# KiCad board sun3_60.kicad_pcb (continued)
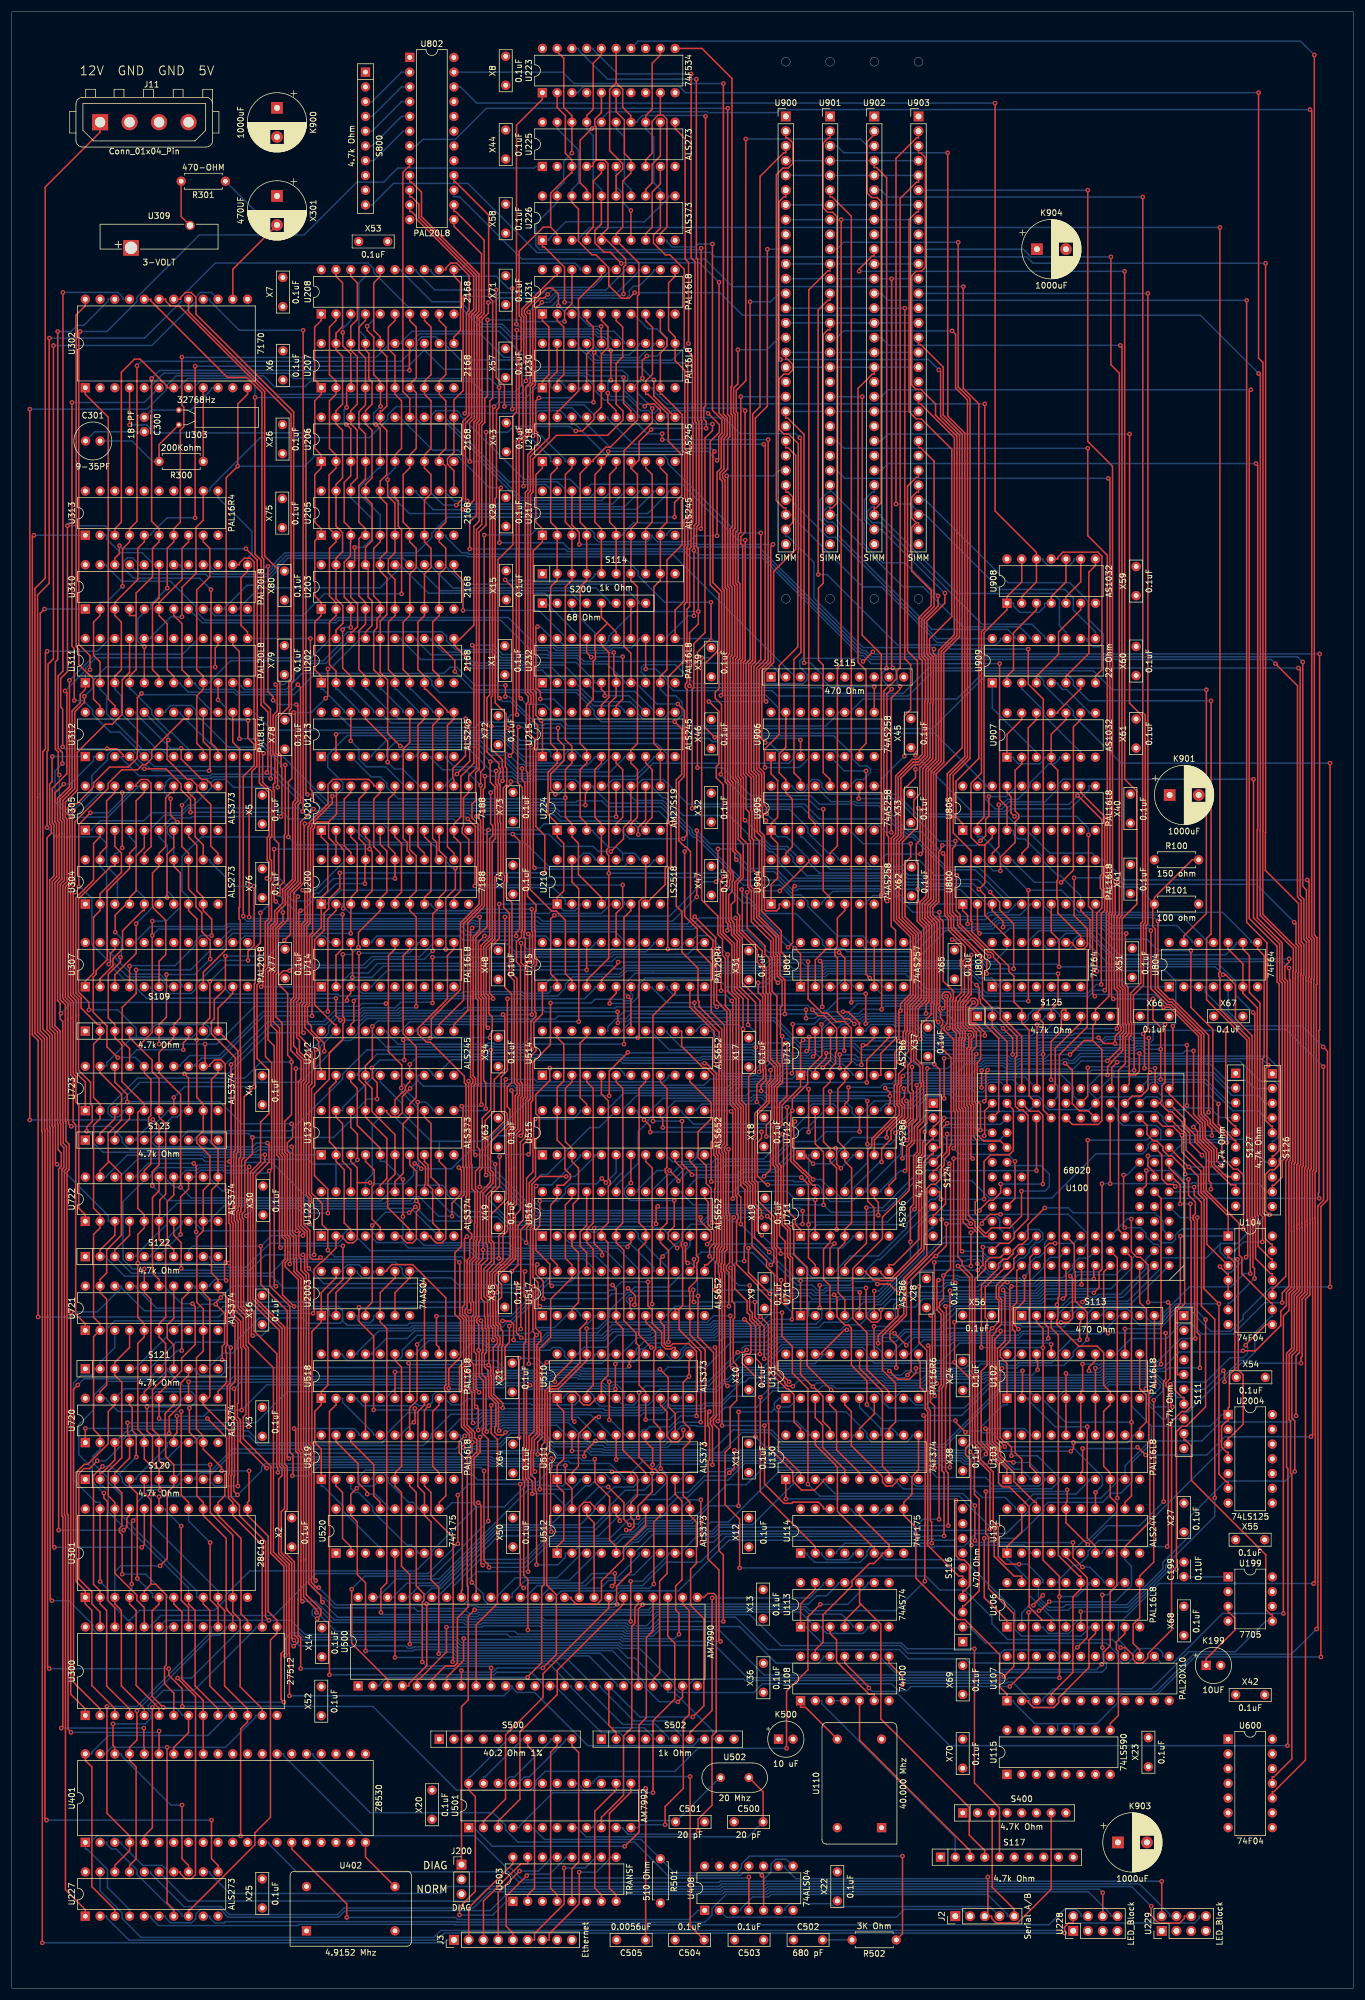
[diagram p0: board, top side]
## Routing (per net, layer and track width the routed paths; a pad name or vN(x,y) marks a point on that pad's centre or on a via; arc(x,y) is an arc through that point) (continued)
/RESET-: length 443
  Top w0.25: v1(10.91,188.76) 10.62,188.47 10.62,171.2 11.52,170.29 11.52,167.6 11.53,167.6 11.53,158.08 13.6,156.01 13.6,152.3 13.89,152.01 13.89,149.27 12.93,148.31 v1(12.93,147.58) ; v1(167.06,110.36) 167.06,121.05 170.01,124.01 170.01,124.8 170.76,125.55 171.55,125.55 172.55,126.55 172.55,127.09 173.55,128.09 174.09,128.09 175.09,129.09 175.09,131.51 v1(177.98,134.39) ; U500.23 115.58,50.14 v1(114.78,49.34) ; v1(180.5,53.48) v1(180.5,67.47) 180.5,70.92 177.67,73.75 v1(177.67,110.31) 177.67,113.59 176.55,114.72 S113.2 ; v1(43.61,143.55) 43.61,142.36 41.6,140.35 41.6,118.64 46.58,113.66 46.58,90.12 47.03,89.66 47.03,82.66 46.45,82.08 46.45,75.04 48.26,73.23 48.26,60.3 v1(48.62,59.94)
  Bottom w0.25: v1(10.91,188.76) 11.85,187.83 12.7,187.83 U304.1 ; U106.14 185.58,69.86 185.58,69.58 183.47,67.47 v1(180.5,67.47) ; v1(114.78,49.34) 111.6,49.34 109.09,51.86 109.09,52.56 103.48,58.16 76.99,58.16 76.36,58.8 69.5,58.8 69.14,58.8 68.89,58.55 68.29,58.55 67.87,58.97 49.59,58.97 v1(48.62,59.94) ; v1(12.93,147.58) 13.26,147.58 13.97,146.88 13.97,145.72 15.72,143.97 33.01,143.97 33.43,143.55 v1(43.61,143.55) ; v1(167.06,110.36) 167.07,110.35 177.64,110.35 v1(177.67,110.31) ; v1(180.5,53.48) 171.72,53.48 171.24,53 170.64,53 170.61,53.03 126.34,53.03 126.12,53.26 117.62,53.26 116.71,52.34 116.71,52.08 U500.23 ; v1(177.98,134.39) 182.02,134.39 182.87,133.53 196.95,133.53 198.32,132.16 198.32,130.63 U100.27
/RTC-: length 458.3
  Top w0.25: v1(84.03,248.91) 84.03,258.14 v1(84.27,258.38) ; U302.12 40.64,274.47 38.95,272.79 v1(38.95,262.1) 36.97,260.12 36.97,178.91 33.02,174.96 U307.9 ; v1(208.75,106.36) 208.94,106.17 v1(208.94,104.44) ; v1(222.11,107.65) 222.11,108.62 222.31,108.83 222.31,118.73 223.22,119.63 223.22,131.47 223.2,131.48 223.2,132.12 223.19,132.14 223.19,141.05 223.41,141.27 223.41,173.39 223.41,174.03 223.51,174.12 223.51,180.37 223.05,180.82 223.05,189.13 222.42,189.77 v1(222.42,228.38)
  Bottom w0.25: v1(38.95,262.1) 50.47,262.1 52.43,264.06 76.64,264.06 82.31,258.38 v1(84.27,258.38) ; S111.6 205.54,103.15 v1(208.75,106.36) ; v1(208.94,104.44) 208.94,104.78 211.81,107.65 v1(222.11,107.65) ; v1(222.42,228.38) 221.51,229.28 148.17,229.28 147.09,230.35 146.53,230.35 128.72,248.17 117.99,248.17 117.81,248.35 117.21,248.35 116.71,247.85 96.02,247.85 94.95,248.91 v1(84.03,248.91)
/S8A Memory/CAS: length 58.9
  Top w0.25: U104.12 217.18,125.59 216.92,125.59 214.73,127.77 214.73,133.02 214.59,133.16 214.59,141.53 214.59,141.53 214.59,168.83 212.1,171.33 U804.6 212.1,176.41 209.56,178.95 U804.10
/S8A Memory/CAS0-: length 202
  Top w0.25: U908.9 184.16,242.16 181.62,239.62 U908.5 ; U908.2 174,239.62 176.55,242.16 U908.12 176.55,247.24 169.42,254.37 v1(169.42,324.61)
  Bottom w0.25: U908.9 183.04,246.12 183.04,245.83 182.19,244.99 178.52,244.99 177.67,245.83 177.67,246.12 U908.12 ; U802.22 77.33,327.39 80.11,324.61 v1(169.42,324.61)
/S8A Memory/CE-: length 192.1
  Top w0.25: U805.1 163.84,200.53 162.68,201.69 162.68,207.84 166.61,211.77 166.61,272.83 163.93,275.5 v1(163.93,293.01)
  Bottom w0.25: U802.15 76.2,308.49 77.16,308.49 87.9,297.75 119.45,297.75 124.19,293.01 v1(163.93,293.01)
/S8A Memory/M.PD-: length 455.4
  Top w0.25: U904.15 133.37,195.45 134.49,196.57 134.49,204.77 133.37,205.89 U905.15 133.37,208.15 132.24,209.27 132.24,212.57 133.36,213.69 133.37,218.59 U906.15 ; v1(122.17,222.63) 122.45,222.9 122.45,229.84 122.76,230.15 122.76,240.73 122.45,241.04 122.45,259.49 122.01,259.93 122.01,260.91 122.7,261.6 122.7,266.81 123.27,267.37 123.27,270.46 122.62,271.11 v1(122.62,327.98) ; v1(223.2,190.85) 223.51,190.55 223.51,181.01 223.96,180.56 223.96,173.94 223.86,173.84 223.86,173.2 223.86,141.08 223.64,140.86 223.64,132.32 223.65,132.31 223.65,131.67 223.67,131.66 223.67,119.44 222.89,118.66 222.89,39.31 217.46,33.89 217.18,33.89 U600.10
  Bottom w0.25: U800.11 187.27,194.32 ; 187.27,194.32 186.12,195.47 178.84,195.47 175.13,199.18 175.13,199.4 U805.5 171.68,201.73 156.37,201.73 152.49,205.61 140.75,205.61 139.57,206.79 139.57,207.49 138.91,208.15 137.92,208.15 137.03,207.26 137.03,206.55 136.37,205.89 135.44,205.89 134.49,206.84 134.49,207.02 U905.15 ; 187.27,194.32 188.23,194.32 191.69,190.85 v1(223.2,190.85) ; v1(122.17,222.63) 129.95,222.63 132.24,220.34 132.24,219.72 U906.15 ; v1(122.62,327.98) 122.61,327.98 96.88,327.98 94.93,329.94 U802.23
/S8A Memory/M.PU: length 429.2
  Top w0.25: U600.11 217.18,36.43 217.46,36.43 220.53,39.49 220.53,88.48 220.31,88.7 220.31,97.67 220.08,97.91 220.08,109.15 220.96,110.03 220.96,119.29 221.86,120.19 221.86,130.91 221.85,130.92 221.85,131.56 221.83,131.58 221.83,141.61 222.05,141.83 222.05,174.36 222.05,174.37 222.05,174.58 222.15,174.68 222.15,179.58 221.7,180.03 221.7,186.79 215.98,192.51 215.98,198.98 216.01,199.02 v1(216.01,297.04)
  Bottom w0.25: S800.10 62.09,307.07 65.79,310.78 78.6,310.78 90.48,298.89 120.36,298.89 121.13,298.13 174.85,298.13 175.94,297.04 v1(216.01,297.04)
/S8A Memory/M.S1-: length 9.7
  Bottom w0.25: U802.2 67.17,329.94 62.09,324.86 S800.3
/S8A Memory/M.S2-: length 9.7
  Bottom w0.25: S800.4 62.09,322.31 67.17,327.39 U802.3
/S8A Memory/M.S3-: length 9.7
  Bottom w0.25: U802.4 67.17,324.86 62.09,319.78 60.96,319.78
/S8A Memory/M.S4-: length 9.7
  Bottom w0.25: S800.6 62.09,317.24 67.17,322.31 U802.5
/S8A Memory/M.S5-: length 9.7
  Bottom w0.25: 60.96,314.69 62.37,314.69 67.45,319.78 68.58,319.78
/S8A Memory/PA02/22: length 228.2
  Top w0.25: U801.4 143.53,177.39 v1(142.54,178.37) ; v1(123.35,323.71) 123.35,271.02 123.72,270.65 123.72,267.19 123.35,266.82 123.35,261.61 122.46,260.72 122.46,260.12 122.9,259.68 122.9,241.23 123.21,240.91 123.21,229.97 122.9,229.65 122.9,207.76 123.35,207.3 123.35,192.47 123.85,191.97 123.85,191 123.68,190.82 123.68,189.7 123.07,189.1 123.07,183.63 123.4,183.3 123.4,182.28 v1(123.28,182.16)
  Bottom w0.25: v1(123.28,182.16) 126.6,182.16 130.39,178.37 v1(142.54,178.37) ; 68.58,317.24 69.71,317.24 70.83,318.36 76.43,318.36 81.78,323.71 v1(123.35,323.71)
/S8A Memory/PA13: length 162.7
  Top w0.25: U904.2 132.24,186.7 132.24,185.99 131.78,185.53 129.94,185.53 129.69,185.77 129.69,198.44 128.87,199.26 128.87,203.25 128.75,203.37 128.75,208.94 127.87,209.81 127.87,227.6 129.05,228.77 v1(129.05,250.61) ; v1(78.06,271.19) 78.34,271.46 78.34,288.49 78.82,288.97 78.82,294.9 76.65,297.07 75.65,297.07 74.79,296.2 74.79,295.92 U208.12
  Bottom w0.25: v1(78.06,271.19) 90.35,271.19 90.82,271.65 94.54,271.65 95.39,270.8 95.39,270.52 U218.18 96.52,269.39 97,269.39 102.49,263.91 103.09,263.91 103.23,264.06 112.22,264.06 113.03,263.25 113.03,262.57 124.99,250.61 v1(129.05,250.61)
/S8A Memory/PA14: length 170.5
  Top w0.25: v1(139.82,203.05) 139.82,188.99 140.99,187.83 U904.5 ; v1(121.07,264.63) 120.8,264.35 120.8,242.05 122.31,240.54 122.31,230.34 121.86,229.89 121.86,229.52 121.86,229.52 121.86,223.81 121.21,223.16 121.21,222.15 122.29,221.06 122.29,209.18 v1(122.15,209.03) ; v1(86.24,292.69) v1(86.24,271.91)
  Bottom w0.25: U208.13 72.25,295.92 72.25,295.64 73.09,294.79 83.48,294.79 85.58,292.69 v1(86.24,292.69) ; v1(121.07,264.63) 120.5,265.2 103.25,265.2 99.06,269.39 U218.17 97.93,270.52 97.93,270.72 96.51,272.15 86.48,272.15 v1(86.24,271.91) ; v1(139.82,203.05) 138.95,203.05 137.28,204.72 126.46,204.72 v1(122.15,209.03)
/S8A Memory/PA15: length 171.7
  Top w0.25: v1(129.57,265.86) 129.82,265.61 129.82,228.81 128.32,227.31 128.32,210 129.2,209.12 129.2,203.56 129.32,203.43 129.32,201.69 v1(129.95,201.07) ; v1(84.89,272.37) 84.89,275.93 83.47,277.35 v1(83.47,292.44)
  Bottom w0.25: v1(129.57,265.86) 107.1,265.86 102.73,270.24 102.73,270.52 U218.16 100.47,270.52 100.47,270.8 98.62,272.65 85.18,272.65 v1(84.89,272.37) ; U904.11 142.4,194.32 142.4,194.6 141.55,195.45 140.71,195.45 137.18,198.99 137.18,199.8 133.96,203.01 129.7,203.01 129.32,202.63 129.32,201.7 v1(129.95,201.07) ; U208.14 69.71,295.92 69.71,295.64 72.9,292.44 v1(83.47,292.44)
/S8A Memory/PA16: length 165.8
  Top w0.25: U218.15 104.14,271.65 102.69,273.09 v1(102.69,274.69) ; v1(126.35,271.65) 126.35,250.7 125.62,249.97 125.62,248.75 125.92,248.45 125.92,228.84 125.61,228.53 125.61,208.88 126.06,208.43 126.06,201.41 v1(126.34,201.13) ; v1(103.23,282) v1(103.23,276.9)
  Bottom w0.25: v1(103.23,276.9) 102.73,276.4 102.73,274.72 v1(102.69,274.69) 103.29,274.09 105.94,274.09 108.37,271.66 109.69,271.66 110.07,271.28 110.75,271.28 111.57,272.11 125.9,272.11 v1(126.35,271.65) ; v1(103.23,282) 102.87,282.36 102.87,283.55 102.06,284.36 100.97,284.36 100.52,284.81 88.06,284.81 87.73,284.48 86.59,284.48 84.53,286.54 81.17,286.54 77.31,290.4 72.4,290.4 67.17,295.64 67.17,295.92 U208.15 ; U904.14 133.6,196.62 130.85,196.62 v1(126.34,201.13)
/S8A Memory/PA17: length 270.7
  Top w0.25: v1(130.32,266.66) 130.32,228.63 128.77,227.08 128.77,210.19 129.65,209.31 129.65,203.74 130.05,203.34 v1(130.05,202.28) ; v1(112.08,266.66) v1(112.08,267.69) ; v1(105.41,277.36) 105.41,272.91 106.68,271.65 U218.14 ; v1(19.11,241.43) 19.11,247.86 20.32,249.07 U313.4 20.32,251.33 21.59,252.6 v1(21.59,279.4) ; U310.2 15.24,236.37 14.11,235.25 14.11,229.51 15.24,228.38 U311.2
  Bottom w0.25: v1(19.11,241.43) 16.3,238.63 15.24,238.63 U310.2 ; v1(105.41,277.36) 105.14,277.63 99.61,277.63 99.12,278.13 89.05,278.13 86.79,280.39 77.34,280.39 74.79,282.94 74.79,283.22 74.22,283.22 ; 74.22,283.22 73.07,284.38 70.65,284.38 69.85,283.58 69.85,282.88 67.11,280.14 22.34,280.14 v1(21.59,279.4) ; 74.22,283.22 U207.12 ; v1(130.05,202.28) 131.8,200.53 133.37,200.53 U905.2 ; U311.2 15.24,223.67 16.37,222.55 16.37,219.49 22.63,213.23 23.43,213.23 24.27,212.38 24.27,212.1 U312.6 ; v1(112.08,266.66) v1(130.32,266.66) ; U218.14 109.54,267.66 112.05,267.66 v1(112.08,267.69)
/S8A Memory/PA18: length 273.4
  Top w0.25: v1(117.24,203.18) 117.24,223.69 117.51,223.96 117.51,231.51 119.44,233.44 119.44,266.94 120.74,268.23 v1(120.74,269.34) ; U311.3 17.78,225.93 18.91,227.05 18.91,235.25 17.78,236.37 U310.3 17.78,238.63 21.73,242.58 21.73,247.95 22.86,249.07 U313.5 ; v1(31.61,253.21) v1(31.61,279.31)
  Bottom w0.25: 71.12,282.09 68.33,279.31 v1(31.61,279.31) ; 71.12,282.09 U207.13 ; 71.12,282.09 74.43,278.78 87.07,278.78 88.18,277.68 98.63,277.68 100.33,275.98 100.33,275.26 102.11,273.48 105.42,273.48 108.09,270.8 108.09,270.52 U218.13 110.35,270.52 110.35,270.3 111.3,269.34 v1(120.74,269.34) ; v1(31.61,253.21) 26.78,253.21 23.99,250.41 23.99,250.2 U313.5 ; U905.5 139.86,199.4 139.86,199.68 136.08,203.46 117.52,203.46 v1(117.24,203.18) ; U312.7 26.81,212.1 26.81,212.38 25.78,213.41 24.98,213.41 18.91,219.49 18.91,222.55 17.78,223.67 U311.3
/S8A Memory/PA19: length 282
  Top w0.25: v1(121.12,215.4) 119.37,217.15 119.37,228.04 121.86,230.53 121.86,240.11 120.35,241.62 120.35,266.37 121.91,267.93 121.91,269.26 v1(119.99,271.18) ; v1(109.07,272.4) 109.47,272.8 110.66,272.8 111.76,271.7 U218.12 ; 21.45,236.37 21.45,240.25 24.27,243.08 24.27,247.95 25.4,249.07 U313.6 25.4,251.33 24.11,252.61 v1(24.11,277.2) ; 21.45,236.37 21.45,227.05 20.32,225.93 U311.4 ; 21.45,236.37 20.32,236.37 U310.4 ; v1(68.52,278.58) 68.52,282.04 68.58,282.09 U207.14
  Bottom w0.25: U311.4 20.32,223.67 20.6,223.67 24.13,220.15 24.13,219.39 27.3,216.22 27.58,216.22 30.48,213.32 U312.8 ; U207.14 70.23,284.87 80.74,284.87 84.77,280.84 87.51,280.84 89.77,278.58 105.24,278.58 106.14,277.68 106.14,277.06 105.5,276.42 105.5,275.17 107.82,272.85 108.62,272.85 v1(109.07,272.4) ; v1(119.99,271.18) 119.52,271.65 113.74,271.65 112.89,270.8 112.89,270.52 U218.12 ; v1(121.12,215.4) 121.39,215.68 141.61,215.68 144.8,212.49 144.8,211.76 146.06,210.5 147.39,210.5 147.97,209.91 147.97,209.37 146.75,208.15 145.5,208.15 144.65,207.3 144.65,207.02 U905.11 ; v1(68.52,278.58) 25.49,278.58 v1(24.11,277.2)
/S8A Memory/PA20: length 239.9
  Top w0.25: v1(29.32,280.88) 29.32,272.62 29.65,272.29 29.65,268.9 29.07,268.31 29.07,252.45 27.94,251.33 U313.7 27.94,249.07 26.81,247.95 v1(26.81,241.09) ; v1(110.63,276.94) 110.63,274.19 U218.11 ; U905.14 135.91,208.15 134.77,209.29 134.77,228.82 135.97,230.02 135.97,266.8 v1(135.78,266.99) ; U311.5 v1(22.86,231.01)
  Bottom w0.25: 23.42,237.5 23.99,237.5 23.99,238.27 v1(26.81,241.09) ; 23.42,237.5 21.73,235.81 21.73,231.94 22.66,231.01 v1(22.86,231.01) ; 23.42,237.5 U310.5 ; v1(110.63,276.94) 108.41,279.16 90.12,279.16 83.96,285.32 68.99,285.32 67.17,283.5 67.17,283.22 U207.15 64.91,283.22 64.91,282.98 62.74,280.81 29.39,280.81 v1(29.32,280.88) ; v1(135.78,266.99) 135.06,267.71 125.43,267.71 122.68,270.46 115.49,270.46 115.43,270.52 U218.11
/S8A Memory/PA21: length 111.7
  Top w0.25: v1(129.81,214.5) 129.23,215.09 129.23,226.9 130.77,228.45 130.77,248.24 v1(131.15,248.62) ; v1(97.79,248.62) 97.79,250.7 96.52,251.97 U217.18
  Bottom w0.25: U206.12 74.79,270.52 74.79,270.33 85.72,259.4 94.06,259.4 95.39,258.07 95.39,257.82 U217.18 ; v1(97.79,248.62) 116.84,248.62 117.02,248.8 118,248.8 118.18,248.62 v1(131.15,248.62) ; U906.2 132.24,212.1 132.24,212.8 130.54,214.5 v1(129.81,214.5)
/S8A Memory/PA22: length 161.5
  Top w0.25: v1(126.38,249.36) 126.38,228.66 126.06,228.34 126.06,209.07 126.52,208.61 126.52,203.05 127.07,202.5 127.07,197.78 127.26,197.58 127.26,189.83 127.88,189.21 127.88,184.06 131.22,180.72 131.22,177.88 131.45,177.66 131.45,173.7 v1(132,173.15)
  Bottom w0.25: v1(126.38,249.36) 125.14,249.36 115.5,258.99 99.77,258.99 98.6,257.82 ; U217.17 98.6,257.82 ; 98.6,257.82 97.93,257.82 97.93,258.1 96.18,259.85 88.25,259.85 77.33,270.77 77.33,271.01 76.69,271.65 73.09,271.65 72.25,270.8 72.25,270.52 U206.13 ; U801.5 145.13,172.46 143.94,173.64 143.11,173.64 141.92,172.46 U801.3 139.86,172.46 139.86,172.69 138.96,173.58 132.43,173.58 v1(132,173.15)
/S8A Memory/PA22/02: length 47.3
  Top w0.25: v1(147.82,173.96) 147.19,174.59 v1(147.19,209.62)
  Bottom w0.25: U801.7 150.02,172.46 150.02,172.74 149.15,173.6 148.18,173.6 v1(147.82,173.96) ; U906.5 143.46,209.62 v1(147.19,209.62)
/S8A Memory/PA23: length 84.9
  Top w0.25: U206.14 68.58,273.76 67.4,274.94 67.4,312.67 68.3,313.57 68.58,313.57 68.58,314.69
  Bottom w0.25: U217.16 100.47,257.82 100.47,257.54 99.61,256.67 87.72,256.67 85.53,258.86 85.53,258.95 84.84,259.64 84.75,259.64 75,269.39 70.64,269.39 69.71,270.33 69.71,270.52 U206.14
/S8A Memory/PA24: length 100
  Top w0.25: v1(78.9,262.9) 78.92,262.91 78.92,269.58 79.69,270.36 79.69,287.93 79.89,288.13 79.89,288.13 80.49,288.73 80.49,295.19 70.61,305.07 70.61,309.28 68.86,311.03 68.58,311.03 U802.9
  Bottom w0.25: U217.15 103.01,257.82 103.01,257.54 101.67,256.2 87.5,256.2 80.8,262.9 v1(78.9,262.9) 76.95,264.86 72.55,264.86 67.1,270.31 67.1,270.52 U206.15
/S8A Memory/PA25: length 94.5
  Top w0.25: v1(78.5,256.11) 78.18,256.43 78.18,269.48 79.24,270.54 79.24,288.11 79.44,288.31 79.44,288.32 80.04,288.92 80.04,295 70.16,304.89 70.16,307.19 68.86,308.49 68.58,308.49 U802.10
  Bottom w0.25: U217.14 105.55,257.82 105.55,257.62 103.5,255.57 79.04,255.57 v1(78.5,256.11) 76.21,256.11 74.79,257.54 74.79,257.82 U205.12
/S8A Memory/PA26: length 98.3
  Top w0.25: v1(76.61,255.39) 77.73,256.5 77.73,269.83 78.79,270.89 78.79,288.3 79.59,289.11 79.59,294.81 69.71,304.7 69.71,305.1 68.86,305.95 68.58,305.95 U802.11
  Bottom w0.25: 76.61,255.4 v1(76.61,255.39) ; 76.61,255.4 74.39,255.4 72.25,257.54 72.25,257.82 U205.13 ; 76.61,255.4 77.98,255.4 78.26,255.12 105.59,255.12 108.09,257.62 108.09,257.82 U217.13
/S8A Memory/PA27: length 99.5
  Top w0.25: U802.13 76.2,303.41 80.95,298.66 80.95,288.55 80.35,287.94 80.35,287.94 80.14,287.74 80.14,270.17 79.63,269.66 79.63,256.22 78.08,254.67 v1(77.68,254.67)
  Bottom w0.25: U205.14 69.71,257.82 69.71,257.54 72.64,254.6 77.61,254.6 v1(77.68,254.67) 107.68,254.67 110.63,257.62 110.63,257.82 U217.12
/S8A Memory/PA28: length 108.6
  Top w0.25: U205.15 66.04,256.69 66.61,256.12 66.61,251.72 67.18,251.15 v1(67.18,240.12)
  Bottom w0.25: U217.11 113.17,257.82 113.17,257.55 109.57,253.94 68.51,253.94 64.91,257.54 64.91,257.82 U205.15 ; U310.9 34.15,237.5 34.15,237.22 35,236.37 50.15,236.37 53.9,240.12 v1(67.18,240.12)
/S8A Memory/R.ACK: length 213.2
  Top w0.25: v1(225.94,158.72) 226,158.66 226,135.73 225.02,134.75 225.02,62.1 v1(224.8,61.88) ; U108.8 151.15,56.03 153.47,53.71 v1(153.47,52.3)
  Bottom w0.25: v1(224.8,61.88) 220.44,57.52 203.61,57.52 197.21,51.12 181.55,51.12 180.35,49.92 180.35,49.18 179.53,48.35 176.13,48.35 175.39,49.09 175.39,49.76 172.41,52.74 171.63,52.74 171.43,52.55 153.71,52.55 v1(153.47,52.3) ; U804.2 U804.3 205.61,172.46 205.61,171.55 212.04,165.11 219.55,165.11 v1(225.94,158.72)
/S8A Memory/RAS: length 103.2
  Top w0.25: U104.10 217.18,120.51 217.37,120.51 219.49,122.62 219.49,142.46 219.79,142.77 219.79,173.43 219.34,173.88 219.34,175.98 219.77,176.41 220.07,176.71 v1(220.07,177.25)
  Bottom w0.25: v1(220.07,177.25) 190.36,177.25 185.96,181.65 181.56,181.65 180.21,180.31 180.21,180.08 U803.10
/S8A Memory/RAS-: length 144.1
  Top w0.25: U104.11 217.18,123.05 216.9,123.05 214.28,125.67 214.28,132.83 214.14,132.97 214.14,141.72 214.14,141.72 214.14,167.76 v1(213.86,168.04) ; U907.13 174,218.47 171.47,215.93 U907.1 ; U907.10 181.62,218.47 179.09,215.93 U907.4 179.09,210.85 180.21,209.72 180.21,190.88 180.05,190.73 180.05,187.57 180.21,187.41 180.21,185.16 184.16,181.2 184.16,180.08
  Bottom w0.25: U907.1 172.59,211.97 172.59,211.69 173.44,210.85 177.11,210.85 177.96,211.69 177.96,211.97 U907.4 ; v1(213.86,168.04) 210.83,171.07 210.83,173.43 207.9,176.35 189.02,176.35 185.29,180.08 184.16,180.08
/S8A Memory/RE00-: length 26.5
  Top w0.25: v1(170.34,192.42) 170.34,194.79 172.88,197.33 172.88,200.89 173.49,201.49 173.49,202.1 172.88,202.7 172.88,209.72 174,210.85 U907.2
  Bottom w0.25: U800.19 167.51,194.32 167.51,194.04 169.13,192.42 v1(170.34,192.42)
/S8A Memory/RE01-: length 25.5
  Top w0.25: U800.18 168.93,195.45 170.06,196.58 v1(170.06,203.81)
  Bottom w0.25: v1(170.06,203.81) 170.62,203.81 171.57,204.76 173.36,204.76 175.42,206.82 175.42,207.55 178.72,210.85 179.65,210.85 180.5,211.69 180.5,211.97 U907.5
/S8A Memory/RE02-: length 41.7
  Top w0.25: v1(180.79,190.44) 182.91,192.55 182.91,217.21 184.16,218.47 U907.9
  Bottom w0.25: U800.17 172.59,194.32 172.59,194.04 176.19,190.44 v1(180.79,190.44)
/S8A Memory/RE03-: length 26.3
  Top w0.25: U800.16 174,195.45 175.13,196.58 175.13,217.05 176.55,218.47 U907.12
/S8A Memory/SEL0-: length 23.2
  Bottom w0.25: U800.5 172.88,186.7 172.88,186.51 171.64,185.28 168.32,185.28 167.62,184.58 159.31,184.58 154.81,180.08 U801.9
/S8A Memory/SEL1: length 34.3
  Bottom w0.25: U801.12 147.2,178.94 154.7,178.94 159.77,184.01 167.74,184.01 168.56,184.82 173.74,184.82 175.42,186.5 175.42,186.7 U800.6
/S8A Memory/TWOWAY-: length 188.4
  Top w0.25: v1(84.2,191.27) 84.25,191.32 84.25,200.72 84.15,200.82 84.15,207.28 83.83,207.6 83.83,208.2 83.94,208.31 83.94,209.05 84.21,209.32 84.21,209.92 83.94,210.18 83.94,210.85 81.89,212.91 81.89,222.22 82.37,222.71 82.37,267.57 82.46,267.66 82.46,268.26 82.37,268.35 82.37,273.32 82.87,273.81 82.87,290.55 82.17,291.25 82.17,291.25 82.17,305.34 76.48,311.03 76.2,311.03 U802.16 ; U801.1 135.91,178.09 v1(134.88,179.12)
  Bottom w0.25: v1(134.88,179.12) 134.88,179.17 127.15,186.9 126.03,186.9 121.66,191.27 v1(84.2,191.27)
/SCC.IRQ-: length 177.1
  Top w0.25: v1(24.25,48.36) 24.25,27.65 22.86,26.26 U401.5 ; U307.11 38.1,171.33 35.56,168.79 S109.10 38.99,161.41 38.99,144 38.71,143.71 38.71,134.83 38.59,134.72 38.59,134.13 38.34,133.87 38.34,132.15 38.59,131.9 38.59,116.72 39.9,115.41 39.9,110.55 40.35,110.1 40.35,98.82 39.91,98.38 39.91,94.62 44.65,89.89 44.65,74.93 46.91,72.67 46.91,58.12 46.41,57.62 46.41,49.78 v1(46.91,49.28)
  Bottom w0.25: v1(24.25,48.36) 25.17,49.28 v1(46.91,49.28)
/SCSI 2, Parity/IO.D0: length 525
  Top w0.25: U301.9 33.02,66.19 34.15,65.07 34.15,52.08 38.1,48.13 U300.11 ; U401.40 12.7,39.25 13.83,38.12 13.83,17.51 17.78,13.56 U227.3 ; U305.2 15.24,198.27 14.11,197.15 14.11,190.83 11.07,187.79 11.07,171.38 11.98,170.48 11.98,168.79 14.8,165.96 15.24,165.96 S109.2 15.24,163.71 14.11,162.58 14.11,153.39 15.24,152.27 U723.2 15.24,149.75 14.11,148.62 14.11,134.33 15.24,133.21 U722.2 15.24,130.95 14.11,129.83 14.11,115.56 15.24,114.43 15.24,113.34 ; v1(87.72,146.81) 88.11,147.2 88.11,153.14 88.42,153.45 88.42,175.93 87.75,176.59 v1(87.75,179.98) ; U721.2 15.24,113.34 ; 15.24,113.34 14.11,112.22 14.11,96.23 15.24,95.11 U720.2 ; v1(69.41,142.03) 69.67,142.03 v1(70.57,141.13) ; 59.55,138.73 59.55,129.04 58.88,128.37 57.89,128.37 57.01,129.26 57.01,129.54 U122.2 55.88,127.48 53.52,125.12 53.38,125.12 52.1,123.84 52.1,116.41 v1(51.92,116.23) ; 59.55,138.73 v1(61.73,138.73) ; 59.55,138.73 59.55,141.27 58.42,142.39 U123.3 ; v1(7.2,282.88) 7.2,228.93 6.28,228.01 6.28,213.12 6.11,212.94 v1(6.11,199.88)
  Bottom w0.25: 15.24,198.27 16.37,197.15 16.37,193.2 18.23,191.33 18.23,186.7 U304.3 ; 15.24,198.27 U305.2 ; 15.24,198.27 7.71,198.27 v1(6.11,199.88) ; v1(70.57,141.13) 75.78,141.13 78.98,144.32 81.23,144.32 83.72,146.81 v1(87.72,146.81) ; v1(69.41,142.03) 69.26,141.87 69.26,140.01 67.78,138.53 61.93,138.53 v1(61.73,138.73) ; U720.2 15.24,92.85 13.99,91.61 13.99,90.48 16.51,87.97 16.51,87.3 18.91,84.9 18.91,81.45 31.89,68.47 31.89,67.32 U301.9 ; v1(87.75,179.98) 88.8,178.94 99.6,178.94 100.47,179.81 100.47,180.08 U715.20 ; U300.11 36.97,47 36.97,46.72 33.81,43.55 16.72,43.55 13.83,40.66 13.83,40.38 U401.40 ; v1(7.2,282.88) 24.16,282.88 31.75,290.47 31.75,291.22 32.54,292.01 34.39,292.01 U302.15 ; v1(51.92,116.23) 38.39,116.23 37.09,114.93 17.76,114.93 16.37,113.53 16.37,113.31 U721.2
/SCSI 2, Parity/IO.D1: length 504.3
  Top w0.25: U301.10 35.56,66.19 36.69,65.07 36.69,64.92 36.69,64.91 36.69,52.08 40.64,48.13 U300.12 40.64,45.87 39.45,44.69 v1(39.45,26.26) ; v1(24.07,85.1) 24.07,89.93 22.86,91.14 U720.5 22.86,95.11 21.73,96.23 21.73,111.05 22.86,112.18 U721.5 22.86,114.43 21.73,115.56 v1(21.73,124.86) 21.73,129.83 22.86,130.95 U722.5 22.86,133.21 21.73,134.33 21.73,150.82 22.86,151.95 ; v1(105.27,189.99) 105.27,186.23 104.14,185.11 U715.19 ; 22.86,151.95 U723.5 ; 22.86,151.95 22.86,152.27 19.01,156.12 19.01,162.48 17.78,163.71 S109.3 17.78,165.96 16.65,167.09 16.65,174.63 18.75,176.73 v1(18.75,177.56) ; v1(78.57,201.37) 79.87,200.08 79.87,193.85 79.81,193.8 v1(79.81,189.82) ; U122.5 63.5,131.02 62.09,132.43 62.09,138.06 62.46,138.43 62.46,140.89 60.96,142.39 U123.4 ; 20.32,187.26 20.32,187.83 21.45,188.95 21.45,195 22.86,196.41 U305.5 ; 20.32,187.26 17.85,184.8 v1(17.85,181.87) ; 20.32,187.26 U304.4 ; v1(50.23,285.5) 50.23,202.75 v1(50.11,202.63)
  Bottom w0.25: v1(17.85,181.87) 18.91,180.81 18.91,177.71 v1(18.75,177.56) ; v1(78.57,201.37) 78.14,201.81 50.94,201.81 v1(50.11,202.63) 49.5,203.24 30.52,203.24 29.26,201.98 26.28,201.98 23.99,199.68 23.99,199.4 U305.5 ; U301.10 35.56,68.45 24.07,79.94 v1(24.07,85.1) ; v1(21.73,124.86) 33.83,124.86 34.53,124.15 40.31,124.15 44.46,128.29 56.26,128.29 57.15,129.18 57.15,129.87 57.96,130.68 61.78,130.68 62.92,129.54 U122.5 ; v1(39.45,26.26) 14.67,26.26 13.83,25.42 13.83,25.13 U401.1 12.7,24.01 12.98,24.01 16.51,20.48 16.51,17.37 20.32,13.56 U227.4 ; v1(105.27,189.99) 79.98,189.99 v1(79.81,189.82) ; U302.16 34.15,290.84 34.15,290.56 39.21,285.5 v1(50.23,285.5)
/SCSI 2, Parity/IO.D2: length 510.8
  Top w0.25: U300.13 43.18,48.13 39.37,51.94 39.37,63.51 38.1,64.78 U301.11 38.1,78.05 34.21,81.94 v1(34.21,90.17) ; U123.7 68.58,141.83 69.73,140.68 v1(69.73,135.58) 70.28,135.03 70.28,134.27 69.73,133.72 69.73,129 69.11,128.39 68.04,128.39 67.17,129.26 67.17,129.54 U122.6 ; 21.82,162.2 24.23,164.61 v1(24.23,181.29) v1(24.23,183.76) ; 21.82,162.2 24.21,159.82 24.21,157.86 25.4,156.67 U723.6 25.4,150.01 26.53,148.88 26.53,136.74 25.52,135.74 25.52,133.33 25.4,133.21 U722.6 25.4,128.9 26.53,127.77 26.53,115.56 25.4,114.43 U721.6 25.4,112.18 26.53,111.05 26.53,105.35 24.27,103.09 24.27,96.24 25.4,95.11 U720.6 25.4,90.88 v1(26.11,90.17) ; 21.82,162.2 20.32,163.71 S109.4 ; U302.17 30.48,288.69 48.14,271.03 48.14,225.38 47.75,225 47.75,220.65 45.95,218.84 45.95,212.91 46.41,212.44 46.41,210.36 46.55,210.21 46.55,201.93 v1(46.39,201.76) ; v1(26.77,41.5) 26.77,14.73 27.94,13.56 U227.7
  Bottom w0.25: U722.6 28.52,135.2 49.93,135.2 50.46,134.67 64.72,134.67 65.17,135.12 69.08,135.12 69.54,135.58 v1(69.73,135.58) ; v1(26.11,90.17) v1(34.21,90.17) ; U715.18 105.55,180.08 105.55,180.36 103.98,181.93 90.1,181.93 89.65,182.38 80.57,182.38 80.02,181.83 78.58,181.83 77.58,182.84 37.31,182.84 36.86,182.38 25.32,182.38 v1(24.23,181.29) ; v1(24.23,183.76) 26.63,183.76 29.07,186.2 29.07,186.7 U304.7 27.94,187.83 26.81,188.95 26.81,196.86 25.4,198.27 U305.6 27.52,201.52 30.86,201.52 31.1,201.76 v1(46.39,201.76) ; U300.13 42.05,47 42.05,46.72 36.84,41.5 v1(26.77,41.5) 17.21,41.5 16.37,40.66 16.37,40.38 U401.39
